# Altium PCB roach2.PcbDoc (part 27 of 39) (continued)
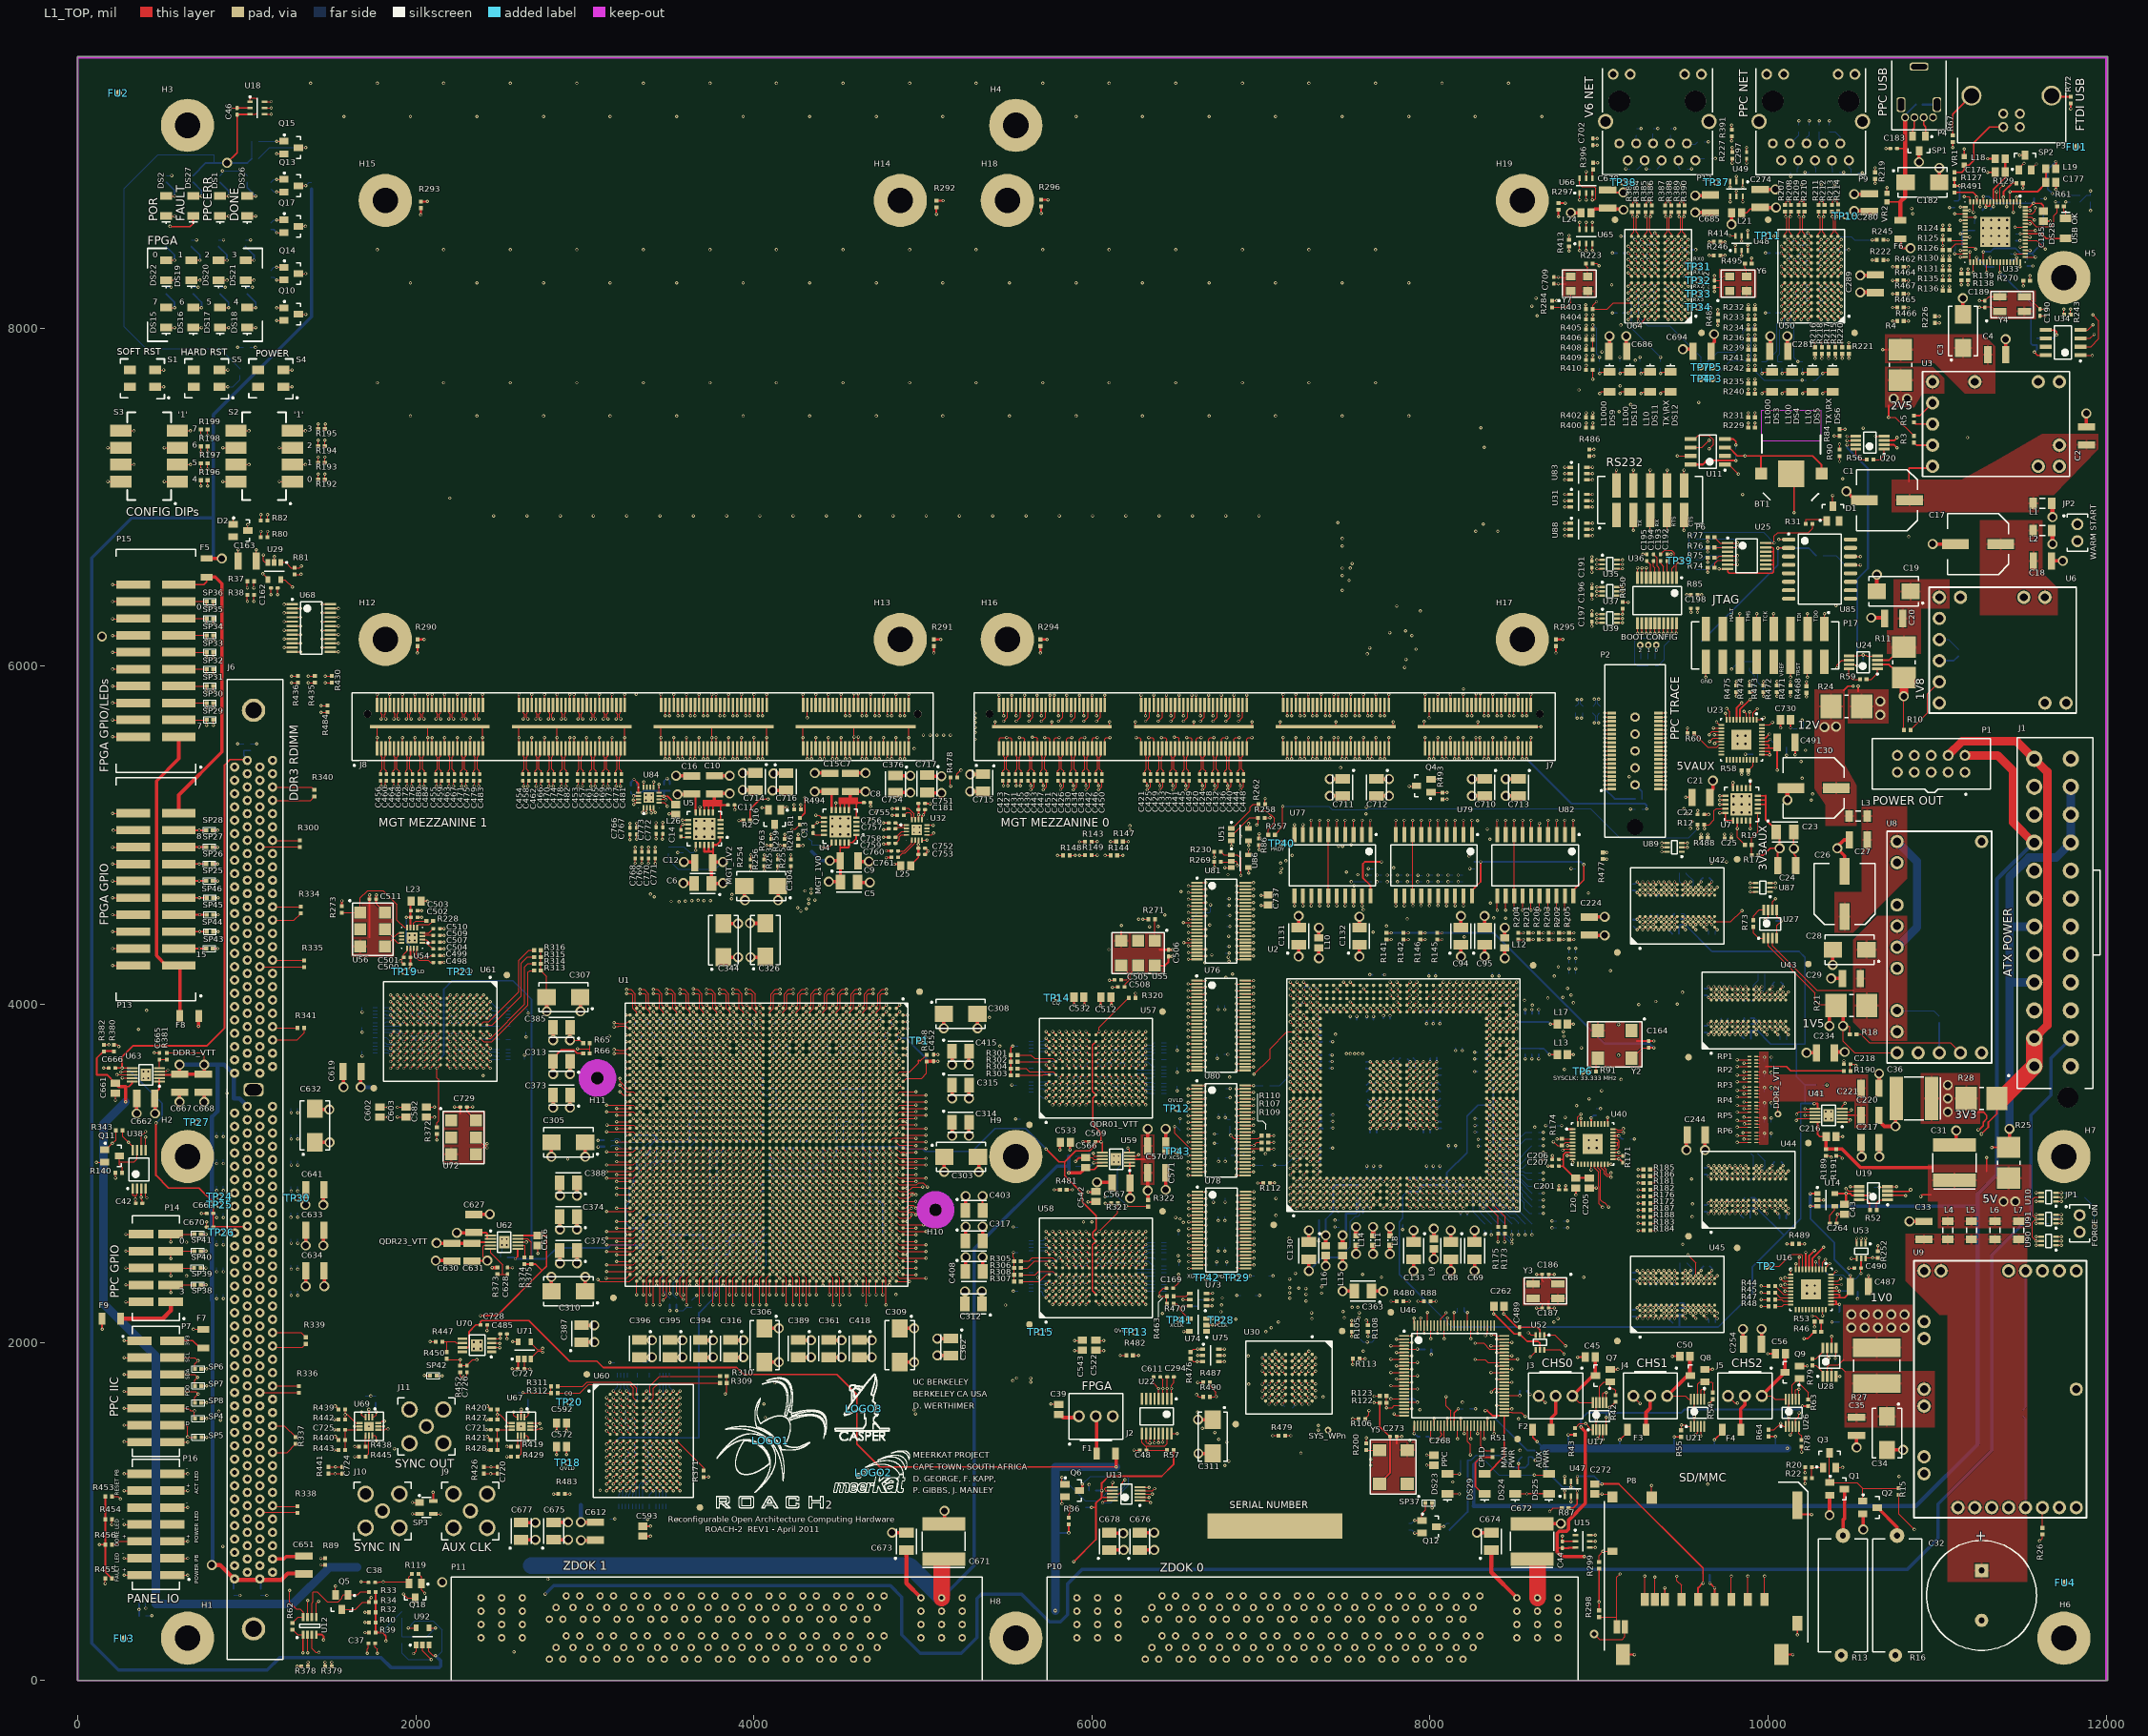
[diagram p0: L1_TOP view]
## Nets (pads, with @x,y where several pads share a name; then routed paths per layer and width w, separated by ;. In a path a pad name is that pad's centre, name@x,y a point inside that pad or via, vN(x,y) a via of type N, cw(c..) or ccw(c..) an arc to the next point about the centre after c; other vN are vias at no path point) (continued)
PROGN: U1.M11 U51.4 | length 3820.9
  L1_TOP w5: U1.M11@4447.92,3581.14 4449.14,3582.36 v1(4467.61,3600.83) ; v3@6926.99,4940.99 6926.99,4966.54 U51.4@6926.99,4973.31
  L12_S w3.8: v2(4360.99,4616.99) 4360.99,4614.99 4446.99,4528.99 4446.99,3621.44 v1(4467.61,3600.83)
  L14_S w3.8: v2(4360.99,4616.99) 4516.99,4616.99 4704.99,4804.99 6662.99,4804.99 6696.99,4838.99 6798.99,4838.99 6900.59,4940.59 v3(6927.39,4940.59)
PS_ENABLEN: Q5.3 R34.1 U10.1 | length 12129.5
  L1_TOP w5: Q5.3@1562.99,419.68 1641.68,419.68 1684.99,462.99 R34.1@1723.31,462.99 1723.31,477.31 v2(1736.99,490.99) ; U10.1@11703.31,2834.41 v2(11734.74,2834.41)
  L8_R w3.8: v2(1736.99,490.99) 1762.99,490.99 1896.99,356.99 2040.99,356.99 2349,665 2971,665 3144.59,838.59 3381.8,838.59 3382.53,837.86 3865.86,837.86 4276.59,1248.59 5336.71,1248.59 5426.31,1158.99 5916.31,1158.99 5972.31,1102.99 6128.99,1102.99 6196.99,1170.99 6368.99,1170.99 6462.99,1076.99 7844.99,1076.99 7970.99,1202.99 8180.99,1202.99 8296.89,1318.89 8727.09,1318.89 8968.99,1076.99 10394.99,1076.99 10824.99,1506.99 10958.99,1506.99 11306.99,1854.99 11306.99,2436.99 11533.71,2663.71 11625.96,2663.71 11662,2699.75 11662,2812.85 11683.56,2834.41 v2(11734.74,2834.41)
QDR0.A0: RP9.1 U1.E19 U57.B4 | length 1271.7
  L1_TOP w5: U1.E19@4723.51,3266.18 4724.73,3267.4 v1(4743.2,3285.87) ; v1(5767.72,3523.62) U57.B4@5787.4,3543.31
  L14_S w3.8: v1(4743.2,3285.87) 4766.97,3309.64 4866,3309.64 4937.31,3380.95 4965.45,3380.95 4977.71,3368.69 5025.25,3368.69 5033.05,3376.49 5297.75,3376.49 5417.32,3496.06 5718.1,3496.06 5721.88,3499.85 5743.95,3499.85 v1(5767.72,3523.62)
  L16_BOT w5: RP9.1@5692.68,3542.52 5748.82,3542.52 v1(5767.72,3523.62)
QDR0.A1: RP14.3 U1.J15 U57.B8 | length 1544.3
  L1_TOP w5: U1.J15@4566.03,3423.66 4567.25,3424.88 v1(4585.72,3443.35) ; v1(5768.03,3720.47) U57.B8@5787.72,3700.79
  L8_R w3.8: v2(5456,3752) 5514,3694 5741.56,3694 v1(5768.03,3720.47)
  L12_S w3.8: v1(4585.72,3443.35) 4608,3465.63 4608,3531.86 4622,3545.86 5047.86,3545.86 5116,3614 5116,3648 5220,3752 v2(5456,3752)
  L16_BOT w5: RP14.3@5692.68,3743.15 5745.35,3743.15 v1(5768.03,3720.47)
QDR0.A2: R275.1 U1.J17 U57.C5 | length 1587.6
  L1_TOP w5: U1.J17@4566.03,3344.92 4567.25,3346.14 v1(4585.72,3364.61) ; v1(5807.09,3562.99) U57.C5@5826.77,3582.68
  L5_S w3.8: v1(4585.72,3364.61) 4601.32,3349.01 4870.15,3349.01 4906.13,3384.99 4969.49,3384.99 4992.06,3407.56 4992.06,3429.56 5004.99,3442.49 5123.39,3442.49 5158.32,3407.56 5297.33,3407.56 5480.31,3590.55 5799.21,3590.55 5807.09,3582.68 v1(5807.09,3562.99)
  L16_BOT w5: R275.1@5692.68,3622.99 5725.12,3590.55 5779.53,3590.55 v1(5807.09,3562.99)
QDR0.A3: R272.1 U1.G18 U57.C7 | length 1588.8
  L1_TOP w5: U1.G18@4644.77,3305.55 v1(4664.46,3325.24) ; v1(5807.09,3681.1) U57.C7@5826.77,3661.42
  L12_S w3.8: v1(4664.46,3325.24) 4688.23,3349.01 4688.23,3449.81 4696.73,3458.31 4696.73,3458.95 4895.68,3458.95 4930.97,3494.24 4930.97,3505.78 4944.88,3519.68 5066.93,3519.68 5133.86,3586.61 5350.39,3586.61 5497.78,3734 5552.06,3734 5562.16,3744.09 5726.79,3744.09 5752.12,3718.77 5752.12,3714.01 5765.34,3700.79 5787.4,3700.79 v1(5807.09,3681.1)
  L16_BOT w5: R272.1@5692.68,3662.99 5788.97,3662.99 v1(5807.09,3681.1)
QDR0.A4: RP13.2 U1.G19 U57.N5 | length 1911.2
  L1_TOP w5: U1.G19@4644.77,3266.18 4645.99,3267.4 v1(4664.46,3285.87) ; U57.N5@6220.47,3582.68 v1(6240.16,3562.99)
  L5_S w3.8: v1(4664.46,3285.87) 4680.43,3301.84 4856.07,3301.84 4883.22,3328.99 4923.49,3328.99 4942.11,3310.38 4974.59,3310.38 4993.54,3329.32 5293.89,3329.32 5452.76,3488.19 5614.17,3488.19 5633.86,3507.87 5811,3507.87 ; 5814.96,3507.87 5811,3507.87 ; v1(6240.16,3562.99) 6224.41,3547.24 6015.75,3547.24 5976.38,3507.87 5811,3507.87
  L16_BOT w5: v1(6240.16,3562.99) 6270.32,3593.15 RP13.2@6373.31,3593.15
QDR0.A5: RP13.3 U1.G16 U57.N6 | length 1888.2
  L1_TOP w5: U1.G16@4644.77,3384.29 4645.99,3385.51 v1(4664.46,3403.98) ; U57.N6@6220.47,3622.05 v1(6240.16,3641.73)
  L5_S w3.8: v1(4664.46,3403.98) 4680.06,3388.38 4856.38,3388.38 4919.99,3451.99 4951.07,3451.99 4987.04,3487.97 5039.15,3487.97 ; 5039.37,3488.19 5039.15,3487.97 ; v1(6240.16,3641.73) 6224.41,3625.98 5456.69,3625.98 5318.67,3487.97 5039.15,3487.97
  L16_BOT w5: v1(6240.16,3641.73) 6269.06,3612.83 RP13.3@6373.31,3612.83
QDR0.A6: RP13.4 U1.E18 U57.N7 | length 1870.1
  L1_TOP w5: U1.E18@4723.51,3305.55 4724.73,3306.77 v1(4743.2,3325.24) ; U57.N7@6220.47,3661.42 v1(6240.16,3681.1)
  L12_S w3.8: v1(4743.2,3325.24) 4766.97,3349.01 4789.03,3349.01 4798.17,3358.14 4798.17,3362.9 4815.85,3380.58 4831.63,3380.58 4840.97,3389.91 4859.73,3389.91 4918.64,3448.82 4922.32,3452.49 4999.99,3452.49 5005.05,3447.43 5069.48,3447.43 5157.48,3535.43 5358.27,3535.43 5448.82,3625.98 5696.85,3625.98 5708.66,3614.17 5972.44,3614.17 6023.62,3665.35 6224.41,3665.35 v1(6240.16,3681.1)
  L16_BOT w5: v1(6240.16,3681.1) 6259.84,3661.42 6328.57,3661.42 6357.46,3632.52 RP13.4@6373.31,3632.52
QDR0.A7: RP8.2 U1.F17 U57.P4 | length 1964.9
  L1_TOP w5: U1.F17@4684.14,3344.92 4685.36,3346.14 v1(4703.83,3364.61) ; U57.P4@6259.84,3543.31 v1(6279.53,3523.62)
  L12_S w3.8: v1(4703.83,3364.61) 4723.99,3344.44 4723.99,3322.38 4736.74,3309.64 4828.4,3309.64 4837.54,3318.77 4837.54,3341.47 4846.61,3350.54 4925.2,3429.13 4978.85,3429.13 4999.92,3408.06 5073.41,3408.06 5074.8,3409.45 5169.29,3503.94 5358.27,3503.94 5444.88,3590.55 6240.16,3590.55 6259.84,3570.87 6259.84,3543.31 v1(6279.53,3523.62) ; v1@4704.73,3366.14 v1@4705.05,3365.82
  L16_BOT w5: v1(6279.53,3523.62) 6302.7,3500.45 6357.82,3500.45 6365.12,3493.15 RP8.2@6373.31,3493.15
QDR0.A8: RP8.4 U1.K18 U57.P5 | length 2207.4
  L1_TOP w5: U1.K18@4526.66,3305.55 4527.88,3306.77 v1(4546.35,3325.24) ; U57.P5@6259.84,3582.68 v1(6279.53,3562.99)
  L5_S w3.8: v1@4547.24,3326.77 4547.24,3325.24 4570.12,3302.36 4570.12,3200.66 4587.06,3183.73 4875.76,3183.73 4916.52,3224.49 4954.49,3224.49 4954.89,3224.89 4982.39,3224.89 4999.91,3242.41 5025.25,3242.41 5025.47,3242.19 5039.72,3242.19 5080.05,3282.52 5392.76,3282.52 5488.19,3377.95 5889.76,3377.95 5905.51,3393.7 5905.51,3448.82 5925.2,3468.5 5972.44,3468.5 6027.71,3523.77 6027.71,3530.08 6037,3539.37 6255.91,3539.37 v1(6279.53,3562.99)
  L16_BOT w5: v1(6279.53,3562.99) 6302.7,3539.82 6357.82,3539.82 6365.12,3532.52 RP8.4@6373.31,3532.52
QDR0.A9: RP7.1 U1.C18 U57.P7 | length 1887.8
  L1_TOP w5: U1.C18@4802.25,3305.55 4803.47,3306.77 v1(4821.94,3325.24) ; U57.P7@6259.84,3661.42 v1(6279.53,3681.1)
  L14_S w3.8: v1@4822.84,3326.77 4872.11,3326.77 4934.08,3388.75 5000.54,3388.75 5013.22,3401.43 5026.15,3401.43 5037.81,3389.76 5295.28,3389.76 5444.88,3539.37 6295.28,3539.37 6303.15,3547.24 6303.15,3657.48 v1(6279.53,3681.1)
  L16_BOT w5: v1(6279.53,3681.1) 6299.21,3700.79 6354.33,3700.79 6367.01,3713.46 RP7.1@6373.31,3713.46
QDR0.A10: RP7.3 U1.A17 U57.P8 | length 1708.3
  L1_TOP w5: U1.A17@4880.99,3344.92 4881.89,3344.92 v2(5018.79,3344.92) ; U57.P8@6259.84,3700.79 v1(6279.53,3720.47)
  L3_S w3.8: v2@5019.68,3346.46 5051.18,3377.95 5051.18,3413.39 5173.23,3535.43 5358.27,3535.43 5527.56,3704.72 6263.78,3704.72 v1(6279.53,3720.47)
  L16_BOT w5: v1(6279.53,3720.47) 6299.21,3740.16 6354.33,3740.16 6367.01,3752.83 RP7.3@6373.31,3752.83
QDR0.A11: RP14.2 U1.G17 U57.A9 | length 1391.6
  L1_TOP w5: U1.G17@4644.77,3344.92 4645.99,3346.14 v1(4664.46,3364.61) ; v1(5728.35,3759.84) U57.A9@5748.03,3740.16
  L12_S w3.8: v1(4664.46,3364.61) 4680.43,3380.58 4680.43,3459.96 4687.59,3467.12 4892.82,3467.12 4923.17,3497.47 4923.17,3517.66 4937.01,3531.5 5062.99,3531.5 5133.86,3602.36 5342.52,3602.36 5515.75,3775.59 5712.6,3775.59 v1(5728.35,3759.84)
  L16_BOT w5: RP14.2@5692.68,3762.83 5725.36,3762.83 v1(5728.35,3759.84)
QDR0.A12: RP8.1 U1.M18 U57.R3 | length 2279.3
  L1_TOP w5: U1.M18@4447.92,3305.55 4449.14,3306.77 v1(4467.61,3325.24) ; U57.R3@6299.21,3503.94 v1(6318.9,3484.25)
  L5_S w3.8: v1(4467.61,3325.24) 4491.38,3301.47 4491.38,3199.58 4546.23,3144.73 4921.9,3144.73 4944.13,3122.49 4944.13,3117.99 4953.27,3108.85 4974.85,3108.85 4993.49,3127.49 5039.99,3127.49 5063.99,3151.49 5282.99,3151.49 5304.73,3173.23 5389.76,3173.23 5503.94,3287.4 6065.37,3287.4 6185.19,3407.22 6185.19,3411.97 6202.5,3429.28 6207.25,3429.28 6224.56,3446.59 6224.56,3451.34 6241.72,3468.5 6303.15,3468.5 v1(6318.9,3484.25) ; v1@4468.5,3326.77 v1@4468.82,3326.45
  L16_BOT w5: v1(6318.9,3484.25) 6329.68,3473.46 RP8.1@6373.31,3473.46
QDR0.A13: RP8.3 U1.B19 U57.R4 | length 1872
  L1_TOP w5: U1.B19@4841.62,3266.18 4842.84,3267.4 4862.05,3286.61 v2(4958.99,3286.61) ; U57.R4@6299.21,3543.31 v1(6318.9,3523.62)
  L3_S w3.8: v2@4959.89,3288.14 5000.74,3288.14 5082.68,3370.08 5082.68,3405.51 5181.1,3503.94 5362.2,3503.94 5523.77,3665.5 6287.25,3665.5 6303.15,3649.61 6303.15,3539.37 v1(6318.9,3523.62)
  L16_BOT w5: v1(6318.9,3523.62) 6329.68,3512.83 RP8.3@6373.31,3512.83
QDR0.A14: RP13.1 U1.B17 U57.R5 | length 1939.8
  L1_TOP w5: U1.B17@4841.62,3344.92 4842.84,3346.14 4862.05,3365.35 v2(4958.99,3365.35) ; U57.R5@6299.21,3582.68 v1(6318.9,3562.99)
  L3_S w3.8: v2@4959.89,3366.88 5024.36,3366.88 5035.43,3377.95 5035.43,3421.26 5161.42,3547.24 5354.33,3547.24 5519.68,3712.6 5543.31,3712.6 5566.93,3736.22 6167.73,3736.22 6167.88,3736.07 6325.36,3736.07 6334.5,3726.94 6334.5,3712.75 6334.65,3712.6 6334.65,3578.74 v1(6318.9,3562.99)
  L16_BOT w5: v1(6318.9,3562.99) 6354.33,3562.99 6364.8,3573.46 RP13.1@6373.31,3573.46
QDR0.A15: R114.1 U1.B18 U57.R7 | length 1759.2
  L1_TOP w5: U1.B18@4841.62,3305.55 4842.84,3306.77 4862.05,3325.98 v2(4958.99,3325.98) ; U57.R7@6299.21,3661.42 v1(6318.9,3681.1)
  L3_S w3.8: v2(4958.99,3325.98) 5022.98,3325.98 5058.98,3361.98 5058.98,3401.5 5173.23,3515.75 5354.33,3515.75 5535.29,3696.7 6303.3,3696.7 v1(6318.9,3681.1) ; v2@4959.89,3327.51 v2@4963.23,3330.86
  L16_BOT w5: v1(6318.9,3681.1) 6346.45,3681.1 6354.57,3672.99 R114.1@6373.31,3672.99
QDR0.A16: RP7.2 U1.D18 U57.R8 | length 1840
  L1_TOP w5: U1.D18@4762.88,3305.55 4764.1,3306.77 v1(4782.57,3325.24) ; U57.R8@6299.21,3700.79 v1(6318.9,3720.47)
  L12_S w3.8: v1@4783.47,3333.05 4783.47,3326.77 4801.69,3344.99 4825.85,3344.99 4921.87,3441.02 4977.97,3441.02 4979.72,3439.26 5084.93,3439.26 5161.42,3515.75 5354.33,3515.75 5440.94,3602.36 5972.44,3602.36 6027.41,3657.33 6287.26,3657.33 6295.28,3665.35 6295.28,3696.85 v1(6318.9,3720.47)
  L16_BOT w5: v1(6318.9,3720.47) 6354.33,3720.47 6367.01,3733.15 RP7.2@6373.31,3733.15
QDR0.A17: RP7.4 U1.K17 U57.R9 | length 2118.5
  L1_TOP w5: U1.K17@4526.66,3344.92 4527.88,3346.14 v1(4546.35,3364.61) ; U57.R9@6299.21,3740.16 v1(6318.9,3759.84)
  L5_S w3.8: v1(4546.35,3364.61) 4562.32,3380.58 4890.68,3380.58 4990.27,3480.17 5346.31,3480.17 5472.44,3606.3 6279.53,3606.3 6299.21,3625.98 6299.21,3740.16 v1(6318.9,3759.84)
  L16_BOT w5: v1(6318.9,3759.84) 6354.33,3759.84 6367.01,3772.52 RP7.4@6373.31,3772.52
QDR0.A18: RP9.3 U1.C19 U57.A3 | length 1089.4
  L1_TOP w5: U1.C19@4802.25,3266.18 4803.47,3267.4 v1(4821.94,3285.87) ; v1(5728.35,3484.25) U57.A3@5748.03,3503.94
  L14_S w3.8: v1(4821.94,3285.87) 4853.26,3285.87 4917.14,3349.75 5001.55,3349.75 5012.32,3360.52 5019.99,3360.52 5020.36,3360.89 5305.77,3360.89 5429.13,3484.25 5724.41,3484.25 5726.38,3486.22 v1(5728.35,3484.25)
  L16_BOT w5: RP9.3@5692.68,3503.15 5709.45,3503.15 v1(5728.35,3484.25)
QDR0.A19: RP14.1 U1.M16 U57.A10 | length 1749.7
  L1_TOP w5: U1.M16@4447.92,3384.29 v1(4467.61,3403.98) ; v1(5728.35,3799.21) U57.A10@5748.03,3779.53
  L5_S w3.8: v1(4467.61,3403.98) 4467.61,3421.28 4483.21,3436.88 4483.21,3621 4486.8,3624.6 4514,3624.6 4523.49,3634.09 4523.49,3647.49 4539.97,3663.97 4867.77,3663.97 4887.45,3683.65 4913.14,3683.65 4930.27,3700.79 5027.56,3700.79 5110.24,3783.46 5177.17,3783.46 5314.96,3921.26 v2(5393.24,3921.26)
  L12_S w3.8: v2(5393.24,3921.26) 5606.3,3921.26 v1(5728.35,3799.21)
  L16_BOT w5: RP14.1@5692.68,3782.52 5711.65,3782.52 v1(5728.35,3799.21)
QDR0.A20: RP9.4 U1.F19 U57.A2 | length 1257.4
  L1_TOP w5: U1.F19@4684.14,3266.18 4685.36,3267.4 v1(4703.83,3285.87) ; v1(5728.35,3444.88) U57.A2@5748.03,3464.57
  L5_S w3.8: v1@4704.73,3287.4 4705.05,3287.08 4721.86,3270.27 4928.18,3270.27 4943.39,3285.48 4943.39,3293.07 4952.9,3302.58 4977.82,3302.58 4996.77,3321.52 5297.12,3321.52 5318.12,3342.52 5334.65,3342.52 5460.63,3468.5 5625.98,3468.5 5637.8,3480.31 5692.91,3480.31 v1(5728.35,3444.88)
  L16_BOT w5: RP9.4@5692.68,3483.46 5692.68,3460.87 5708.66,3444.88 v1(5728.35,3444.88)
QDR0.BWN0: R301.1 U57.B7 | length 244
  L1_TOP w5: R301.1@5559.68,3700 5640,3700 5660,3680 5769.13,3680 U57.B7@5787.72,3661.42
QDR0.BWN1: R302.1 U57.A7 | length 189.2
  L1_TOP w5: R302.1@5559.68,3660 5561.1,3661.42 U57.A7@5748.35,3661.42
QDR0.BWN2: R303.1 U57.A5 | length 189.8
  L1_TOP w5: R303.1@5559.68,3580 5710,3580 5712.68,3582.68 U57.A5@5748.35,3582.68
QDR0.BWN3: R304.1 U57.B5 | length 243.5
  L1_TOP w5: R304.1@5559.68,3620 5610,3620 5630,3600 5770.39,3600 U57.B5@5787.72,3582.68
QDR0.D0: U1.C16 U57.P10 | length 1778.3
  L1_TOP w5: U1.C16@4802.25,3384.29 4803.47,3385.51 v1(4821.94,3403.98) ; U57.P10@6259.84,3779.53 v1(6279.53,3799.21)
  L14_S w3.8: v1@4822.84,3405.51 4886.37,3405.51 4925.05,3444.19 4982.63,3444.19 4995.39,3456.95 4995.39,3472.72 5016.68,3494.02 5311.02,3494.02 5419.37,3602.36 6220.47,3602.36 6224.56,3606.45 6224.56,3766.31 6233.7,3775.44 6240.01,3775.44 6240.16,3775.59 6255.91,3775.59 v1(6279.53,3799.21)
QDR0.D1: U1.N14 U57.N11 | length 2254.6
  L1_TOP w5: U1.N14@4408.55,3463.03 4409.77,3464.25 v1(4428.24,3482.72) ; U57.N11@6220.47,3818.9 v1(6240.16,3838.58)
  L14_S w3.8: v1@4429.13,3484.25 4429.13,3501.56 4429.77,3501.56 4443.84,3515.62 4443.84,3697.34 4449.84,3703.34 4856.34,3703.34 4876.02,3723.02 4998.61,3723.02 5094.49,3818.9 5177.17,3818.9 5307.09,3948.82 6177.17,3948.82 6238.99,3886.99 6238.99,3843.69 6242.13,3840.55 6244.1,3838.58 v1(6240.16,3838.58)
QDR0.D2: U1.H13 U57.M11 | length 1786.9
  L1_TOP w5: U1.H13@4605.4,3502.4 4606.62,3503.62 v1(4625.09,3522.09) ; U57.M11@6181.1,3818.9 v1(6200.79,3838.58)
  L5_S w3.8: v1(4625.09,3522.09) 4640.69,3537.69 4858.99,3537.69 4859.36,3538.06 4879.01,3538.06 4906.49,3565.54 4913.14,3565.54 4942.08,3594.49 5192.91,3594.49 5220.47,3622.05 5220.47,3653.54 5248.03,3681.1 5311.02,3681.1 5409.45,3779.53 5633.86,3779.53 5637.57,3783.24 6054.9,3783.24 6067.08,3795.42 6067.08,3805.68 6076.36,3814.96 6165.35,3814.96 6188.98,3838.58 v1(6200.79,3838.58)
QDR0.D3: U1.K12 U57.K10 | length 1912.4
  L1_TOP w5: U1.K12@4526.66,3541.77 4527.88,3542.99 v1(4546.35,3561.46) ; U57.K10@6102.36,3779.53 v1(6122.05,3799.21)
  L14_S w3.8: v1@4547.24,3562.99 4547.24,3580.3 4547.88,3580.3 4561.95,3594.37 4561.95,3616.95 4569.6,3624.6 4868.69,3624.6 4889.76,3645.67 4929.13,3645.67 4948.82,3665.35 5015.75,3665.35 5118.11,3767.72 5200.79,3767.72 5255.99,3822.92 5337.67,3822.92 5396.64,3881.89 5398.42,3881.89 5422.04,3905.51 6085.83,3905.51 6109.46,3881.89 6129.92,3881.89 6145.67,3866.14 6145.67,3822.83 v1(6122.05,3799.21)
QDR0.D4: U1.K13 U57.J11 | length 1832.8
  L1_TOP w5: U1.K13@4526.66,3502.4 4527.88,3503.62 v1(4546.35,3522.09) ; U57.J11@6062.99,3818.9 v1(6082.68,3838.58)
  L14_S w3.8: v1@4547.24,3523.62 4547.24,3540.93 4547.88,3540.93 4570.12,3563.17 4570.12,3607.29 4579.26,3616.43 4872.33,3616.43 4889.76,3633.86 5000,3633.86 5000,3637.06 5114.91,3751.97 5204.72,3751.97 5263.78,3811.02 5338.58,3811.02 5421.26,3893.7 6074.8,3893.7 6082.68,3885.83 v1(6082.68,3838.58)
QDR0.D5: U1.J12 U57.G11 | length 1625.7
  L1_TOP w5: U1.J12@4566.03,3541.77 4567.25,3542.99 v1(4585.72,3561.46) ; v1(5964.57,3838.58) U57.G11@5984.25,3818.9
  L14_S w3.8: v1(4585.72,3561.46) 4609.49,3585.23 4833.17,3585.23 4837.54,3589.6 4837.54,3602.04 4843.99,3608.49 4876.21,3608.49 4889.76,3622.05 5000,3622.05 5065.03,3687.08 5094.14,3687.08 5103.28,3696.22 5103.28,3725.33 5118.11,3740.16 5212.6,3740.16 5267.72,3795.28 5338.58,3795.28 5425.2,3881.89 5948.82,3881.89 5964.57,3866.14 v1(5964.57,3838.58)
QDR0.D6: U1.E14 U57.E10 | length 1381.2
  L1_TOP w5: U1.E14@4723.51,3463.03 4724.73,3464.25 v1(4743.2,3482.72) ; v1(5885.83,3799.21) U57.E10@5905.51,3779.53
  L14_S w3.8: v1(4743.2,3482.72) 4759.17,3466.75 4839.95,3466.75 4850.29,3477.09 4881.59,3477.09 4887.89,3483.39 4901.39,3483.39 4965.24,3547.24 5255.91,3547.24 5377.95,3669.29 5594.49,3669.29 5629.92,3704.72 5629.77,3704.87 5852.92,3704.87 5862.06,3714.01 5862.06,3720.32 5862.2,3720.47 5862.2,3779.53 5881.89,3799.21 v1(5885.83,3799.21)
QDR0.D7: U1.D12 U57.D11 | length 1276.2
  L1_TOP w5: U1.D12@4762.88,3541.77 4764.1,3542.99 v1(4782.57,3561.46) ; v1(5846.46,3838.58) U57.D11@5866.14,3818.9
  L14_S w3.8: v1@4783.47,3562.99 4798.34,3562.99 4815.48,3545.86 4828.4,3545.86 4837.54,3554.99 4837.54,3567.54 4862.57,3592.57 4883.91,3592.57 4897.64,3606.3 5053.05,3606.3 5118.88,3672.13 5118.88,3705.49 5129.92,3716.54 5224.41,3716.54 5275.59,3767.72 5350.39,3767.72 5405.51,3822.83 5834.65,3822.83 5846.46,3834.64 v1(5846.46,3838.58)
QDR0.D8: U1.F12 U57.C11 | length 1280.6
  L1_TOP w5: U1.F12@4684.14,3541.77 4685.36,3542.99 v1(4703.83,3561.46) ; v1(5807.09,3838.58) U57.C11@5826.77,3818.9
  L5_S w3.8: v1(4703.83,3561.46) 4719.43,3577.06 4853.32,3577.06 4910.12,3633.86 5086.61,3633.86 5106.3,3653.54 5106.3,3665.35 5145.67,3704.72 5287.4,3704.72 5405.51,3822.83 5791.34,3822.83 v1(5807.09,3838.58)
QDR0.D9: U1.H15 U57.N10 | length 1931.8
  L1_TOP w5: U1.H15@4605.4,3423.66 4606.62,3424.88 v1(4625.09,3443.35) ; U57.N10@6220.47,3779.53 v1(6240.16,3799.21)
  L5_S w3.8: v1(4625.09,3443.35) 4640.69,3427.75 4867.77,3427.75 4876.91,3436.88 4876.91,3447.91 4936.87,3507.87 5291.34,3507.87 5472.44,3688.98 5714.16,3688.98 5721.88,3696.7 5734.81,3696.7 5743.95,3687.57 5743.95,3673.38 5751.97,3665.35 6208.66,3665.35 6224.41,3681.1 6224.41,3783.47 v1(6240.16,3799.21)
QDR0.D10: U1.A15 U57.M9 | length 1485.4
  L1_TOP w5: U1.A15@4880.99,3423.66 4881.89,3423.66 v2(5018.79,3423.66) ; U57.M9@6181.1,3740.16 v1(6200.79,3759.84)
  L3_S w3.8: v2@5019.68,3425.2 5023.62,3425.2 5157.48,3559.06 5350.39,3559.06 5517.72,3726.38 5544.44,3726.38 5562.16,3744.09 6185.04,3744.09 v1(6200.79,3759.84)
QDR0.D11: U1.E15 U57.L9 | length 1740
  L1_TOP w5: U1.E15@4723.51,3423.66 4724.73,3424.88 v1(4743.2,3443.35) ; U57.L9@6141.73,3740.16 v1(6161.42,3759.84)
  L14_S w3.8: v1(4743.2,3443.35) 4766.97,3419.58 4830.83,3419.58 4836.73,3413.68 4883.5,3413.68 4921.81,3451.99 4960.99,3451.99 ; 4961.46,3451.99 4960.99,3451.99 ; v1(6161.42,3759.84) 6177.17,3744.1 6177.17,3625.98 6165.35,3614.17 5409.45,3614.17 5297.1,3501.82 5013.45,3501.82 4987.59,3475.95 4987.59,3460.18 4979.4,3451.99 4960.99,3451.99
QDR0.D12: U1.B14 U57.J9 | length 1436.5
  L1_TOP w5: U1.B14@4841.62,3463.03 4862.05,3483.46 4958.99,3483.46 v2(4959.73,3482.72) ; U57.J9@6062.99,3740.16 v1(6082.68,3759.84)
  L3_S w3.8: v2@4960.63,3484.25 5019.68,3484.25 5137.8,3602.36 5328.42,3602.36 5471.6,3745.54 5471.6,3745.63 5540.78,3814.81 5971.03,3814.81 6006.31,3779.53 6062.99,3779.53 v1(6082.68,3759.84)
QDR0.D13: U1.A14 U57.G10 | length 1249.2
  L1_TOP w5: U1.A14@4880.99,3463.03 v2(5018.79,3463.03) ; v1(5964.57,3799.21) U57.G10@5984.25,3779.53
  L3_S w3.8: v2@5019.68,3464.57 5141.73,3586.61 5323.71,3586.61 5479.4,3742.31 5479.4,3742.4 5520.46,3783.46 5948.82,3783.46 v1(5964.57,3799.21)
QDR0.D14: U1.A16 U57.F9 | length 1296.8
  L1_TOP w5: U1.A16@4880.99,3384.29 v2(5018.79,3384.29) ; v1(5925.2,3759.84) U57.F9@5944.88,3740.16
  L3_S w3.8: v2@5019.68,3385.83 4998.49,3407.02 4998.49,3432.99 5012.93,3447.43 5030.11,3447.43 5153.54,3570.87 5318.99,3570.87 5487.2,3739.08 5487.2,3739.17 5523.62,3775.59 5909.45,3775.59 v1(5925.2,3759.84)
QDR0.D15: U1.L12 U57.D10 | length 1586.2
  L1_TOP w5: U1.L12@4487.29,3541.77 4488.51,3542.99 v1(4506.98,3561.46) ; v1(5846.46,3799.21) U57.D10@5866.14,3779.53
  L5_S w3.8: v1(4506.98,3561.46) 4530.75,3585.23 4592.18,3585.23 4601.32,3594.37 4601.32,3603.32 4614.8,3616.8 4871,3616.8 4884.71,3630.51 4884.71,3646.18 4896.01,3657.48 5031.5,3657.48 5061.09,3687.08 5100.46,3687.08 5153.54,3740.16 5267.72,3740.16 5401.57,3874.02 5799.21,3874.02 5826.77,3846.46 5826.77,3818.9 v1(5846.46,3799.21)
QDR0.D16: U1.C14 U57.C9 | length 1168.6
  L1_TOP w5: U1.C14@4802.25,3463.03 4803.47,3464.25 v1(4821.94,3482.72) ; v1(5807.09,3759.84) U57.C9@5826.77,3740.16
  L14_S w3.8: v1(4821.94,3482.72) 4840.22,3482.72 4844.99,3487.49 4872.99,3487.49 4878.49,3492.99 4884.99,3492.99 4922.55,3530.55 4922.55,3536.99 4944.62,3559.06 5251.97,3559.06 5370.08,3677.17 5535.43,3677.17 5594.49,3736.22 5799.21,3736.22 5807.09,3744.09 v1(5807.09,3759.84)
QDR0.D17: U1.E13 U57.B9 | length 1212.4
  L1_TOP w5: U1.E13@4723.51,3502.4 4724.73,3503.62 v1(4743.2,3522.09) ; v1(5767.72,3759.84) U57.B9@5787.4,3740.16
  L14_S w3.8: v1(4743.2,3522.09) 4766.97,3498.32 4870.63,3498.32 4884.71,3512.39 4884.71,3518.68 4915.22,3549.19 4923.72,3549.19 4941.53,3567 4996.05,3567 ; 5000,3567 4996.05,3567 ; v1(5767.72,3759.84) 5756.69,3748.81 5752.12,3744.24 5716.39,3744.24 5708.66,3751.97 5582.68,3751.97 5543.31,3712.6 5393.7,3712.6 5248.11,3567 4996.05,3567
QDR0.D18: U1.E20 U57.B3 | length 1189.1
  L1_TOP w5: U1.E20@4723.51,3226.81 4724.73,3228.03 v1(4743.2,3246.5) ; v1(5767.72,3484.25) U57.B3@5787.4,3503.94
  L14_S w3.8: v1(4743.2,3246.5) 4766.97,3270.27 4848.69,3270.27 4920.37,3341.95 4999.7,3341.95 5012.32,3329.32 5025.25,3329.32 5037.42,3341.49 5310,3341.49 5437.01,3468.5 5751.97,3468.5 v1(5767.72,3484.25)
QDR0.D19: U1.F20 U57.C3 | length 1269.8
  L1_TOP w5: U1.F20@4684.14,3226.81 4685.36,3228.03 v1(4703.83,3246.5) ; v1(5807.09,3484.25) U57.C3@5826.77,3503.94
  L5_S w3.8: v1(4703.83,3246.5) 4719.8,3262.47 4961.97,3262.47 5013.22,3313.72 5300.35,3313.72 5321.28,3334.65 5354.33,3334.65 5452.76,3433.07 5653.54,3433.07 5657.33,3429.28 5734.81,3429.28 5744.32,3438.79 5744.32,3454.57 5758.02,3468.28 5791.12,3468.28 v1(5807.09,3484.25)
QDR0.D20: U1.A21 U57.D2 | length 1108.2
  L1_TOP w5: U1.A21@4880.99,3187.44 4881.89,3187.44 v2(5018.79,3187.44) ; v1(5846.46,3444.88) U57.D2@5866.14,3464.57
  L3_S w3.8: v2@5019.68,3188.98 5020,3188.66 5031.49,3177.17 5283.46,3177.17 5519.68,3413.39 5728.35,3413.39 5736.29,3421.33 5805.6,3421.33 5829.15,3444.88 v1(5846.46,3444.88)
QDR0.D21: U1.C20 U57.F3 | length 1267.7
  L1_TOP w5: U1.C20@4802.25,3226.81 4803.47,3228.03 v1(4821.94,3246.5) ; v1(5925.2,3484.25) U57.F3@5944.88,3503.94
  L14_S w3.8: v1(4821.94,3246.5) 4837.54,3262.1 4888.6,3262.1 4936.88,3310.38 4978.88,3310.38 4987.49,3318.99 5043.49,3318.99 5051.49,3326.99 5334.87,3326.99 5437.01,3429.13 5859.05,3429.13 5870.23,3440.31 5870.23,3451.34 5879.36,3460.48 5892.29,3460.48 5896.86,3455.91 v1(5925.2,3484.25)
QDR0.D22: U1.B22 U57.G2 | length 1302.4
  L1_TOP w5: U1.B22@4841.62,3148.07 4864.65,3125.04 4873.58,3125.04 4875.12,3126.58 4888.66,3126.58 4890.2,3125.04 4959.14,3125.04 v2(4959.73,3124.45) ; v1(5964.57,3444.88) U57.G2@5984.25,3464.57
  L3_S w3.8: v2(4959.73,3124.45) 4982.54,3124.45 4987.49,3119.49 5312.41,3119.49 5318.9,3125.98 5456.69,3263.78 5712.6,3263.78 5803.15,3354.33 5856.71,3354.33 5901.43,3399.05 5901.43,3405.36 5925.2,3429.13 5948.82,3429.13 v1(5964.57,3444.88)
QDR0.D23: U1.L19 U57.J3 | length 1899
  L1_TOP w5: U1.L19@4487.29,3266.18 4488.51,3267.4 v1(4506.98,3285.87) ; U57.J3@6062.99,3503.94 v1(6082.68,3484.25)
  L5_S w3.8: v1@4507.87,3287.4 4507.87,3285.87 4530.75,3262.99 4530.75,3200.66 4563.28,3168.13 4924.89,3168.13 4940.49,3183.73 4978.56,3183.73 4998.25,3203.41 5054.98,3203.41 5118.49,3266.92 5408.65,3266.92 5496.06,3354.33 6039.37,3354.33 6062.99,3377.95 6062.99,3464.57 6070.87,3472.44 ; 6070.87,3472.44 v1(6082.68,3484.25)
QDR0.D24: U1.G23 U57.L3 | length 1850.2
  L1_TOP w5: U1.G23@4644.77,3108.7 v1(4664.46,3089.01) ; U57.L3@6141.73,3503.94 v1(6161.42,3484.25)
  L14_S w3.8: v1(4664.46,3089.01) 4688.23,3112.78 4710.29,3112.78 4719.43,3121.92 4719.43,3132.43 4731.73,3144.73 4896.91,3144.73 4900.4,3148.22 4966.19,3148.22 4981.65,3163.67 5034.39,3163.67 5056.32,3141.73 5346.46,3141.73 5480.31,3275.59 6106.3,3275.59 6185.04,3354.33 6185.04,3460.63 6173.23,3472.44 v1(6161.42,3484.25)
QDR0.D25: U1.L21 U57.M3 | length 1960.3
  L1_TOP w5: U1.L21@4487.29,3187.44 4488.51,3188.66 v1(4506.98,3207.13) ; U57.M3@6181.1,3503.94 v1(6200.79,3484.25)
  L5_S w3.8: v1(4506.98,3207.13) 4506.98,3195.01 4549.46,3152.53 4927.93,3152.53 4940.04,3140.42 4978.56,3140.42 5002.18,3164.04 5275.17,3164.04 5298.7,3187.56 5376.54,3187.56 5492.13,3303.15 6055.12,3303.15 6141.73,3389.76 6141.73,3447.26 6159.04,3464.57 6181.1,3464.57 v1(6200.79,3484.25)
QDR0.D26: U1.D23 U57.N2 | length 1737.6
  L1_TOP w5: U1.D23@4762.88,3108.7 v1(4782.57,3089.01) ; U57.N2@6220.47,3464.57 v1(6240.16,3444.88)
  L14_S w3.8: v1(4782.57,3089.01) 4798.17,3104.61 4863.61,3104.61 4883.3,3124.3 4925.18,3124.3 4946.63,3102.85 4986.3,3102.85 5005.35,3121.9 5039.35,3121.9 ; 5043.31,3121.9 5039.35,3121.9 ; v1(6240.16,3444.88) 6251.97,3433.07 6255.91,3429.13 6255.91,3417.32 6255.76,3417.18 6255.76,3389.62 6114.1,3247.96 5499.29,3247.96 5498.51,3248.75 5493.62,3248.75 5366.77,3121.9 5039.35,3121.9
QDR0.D27: U1.B21 U57.C1 | length 1111.5
  L1_TOP w5: U1.B21@4841.62,3187.44 4861.61,3167.46 4940.09,3167.46 4943.73,3163.82 v2(4959.73,3163.82) ; v1(5807.09,3405.51) U57.C1@5826.77,3425.2
  L3_S w3.8: v2@4960.63,3165.35 5287.4,3165.35 5433.07,3311.02 5496.06,3311.02 5582.68,3397.64 5728.35,3397.64 5740.16,3385.83 5787.4,3385.83 v1(5807.09,3405.51)
QDR0.D28: U1.F21 U57.D1 | length 1281.3
  L1_TOP w5: U1.F21@4684.14,3187.44 4685.36,3188.66 v1(4703.83,3207.13) ; v1(5846.46,3405.51) U57.D1@5866.14,3425.2
  L14_S w3.8: v1@4704.73,3208.66 4722.67,3208.66 4736.74,3222.73 4878.23,3222.73 4926.51,3271.01 4965.45,3271.01 4993.51,3299.06 5346.31,3299.06 5437.01,3389.76 5834.65,3389.76 5846.46,3401.57 v1(5846.46,3405.51)
QDR0.D29: U1.G21 U57.E2 | length 1375.5
  L1_TOP w5: U1.G21@4644.77,3187.44 4645.99,3188.66 v1(4664.46,3207.13) ; v1(5885.83,3444.88) U57.E2@5905.51,3464.57
  L14_S w3.8: v1(4664.46,3207.13) 4688.23,3230.9 4868.43,3230.9 4940.11,3302.58 4982.11,3302.58 4986.4,3306.86 5003.68,3306.86 5334.42,3306.86 5358.27,3330.71 5440.94,3413.39 5692.91,3413.39 5700.64,3421.11 5862.06,3421.11 v1(5885.83,3444.88)
QDR0.D30: U1.D21 U57.G1 | length 1331.4
  L1_TOP w5: U1.D21@4762.88,3187.44 4764.1,3188.66 v1(4782.57,3207.13) ; v1(5964.57,3405.51) U57.G1@5984.25,3425.2
  L14_S w3.8: v1(4782.57,3207.13) 4880.13,3207.13 4936.21,3263.21 4968.68,3263.21 4996.74,3291.26 5358.19,3291.26 5440.94,3374.02 5952.76,3374.02 5964.57,3385.83 v1(5964.57,3405.51)
QDR0.D31: U1.K22 U57.J1 | length 1754.5
  L1_TOP w5: U1.K22@4526.66,3148.07 v1(4546.35,3128.38) ; U57.J1@6062.99,3425.2 v1(6082.68,3405.51)
  L14_S w3.8: v1(4546.35,3128.38) 4546.35,3162.85 4567.23,3183.73 4880.76,3183.73 4941.52,3244.49 4984.49,3244.49 4990.58,3250.58 5045.86,3250.58 5070.87,3275.59 5393.7,3275.59 5460.63,3342.52 5524.4,3342.52 5535.38,3353.51 5561.23,3353.51 5572.22,3342.52 6051.18,3342.52 6082.68,3374.02 v1(6082.68,3405.51)
QDR0.D32: U1.L20 U57.K2 | length 1896
  L1_TOP w5: U1.L20@4487.29,3226.81 4488.51,3228.03 v1(4506.98,3246.5) ; U57.K2@6102.36,3464.57 v1(6122.05,3444.88)
  L5_S w3.8: v1@4507.87,3248.03 4508.19,3247.71 4522.95,3232.96 4522.95,3197.43 4560.05,3160.33 4931.16,3160.33 4943.27,3148.22 4975.33,3148.22 4998.95,3171.84 5025.25,3171.84 5040.97,3187.56 5287.67,3187.56 5358.52,3258.42 5423.77,3258.42 5503.26,3337.91 5554.77,3337.91 5573.78,3318.9 6039.37,3318.9 6102.36,3381.89 6102.36,3425.19 v1(6122.05,3444.88)
QDR0.D33: U1.B23 U57.M1 | length 1719.7
  L1_TOP w5: U1.B23@4841.62,3108.7 4861.31,3089.02 v2(5018.79,3089.02) ; U57.M1@6181.1,3425.2 v1(6200.79,3405.51)
  L3_S w3.8: v2(5018.79,3089.02) 5003.19,3073.42 5003.19,3043.18 5012.32,3034.05 5025.25,3034.05 5045.68,3054.48 5045.68,3055.12 5392.88,3055.12 5478,2970 5633,2970 5761,3098 5761,3146 5831.54,3216.54 6011.81,3216.54 v1(6200.79,3405.51)
QDR0.D34: U1.D22 U57.N1 | length 1661.5
  L1_TOP w5: U1.D22@4762.88,3148.07 v1(4782.57,3128.38) ; U57.N1@6220.47,3425.2 v1(6240.16,3405.51)
  L14_S w3.8: v1(4782.57,3128.38) 4799.88,3128.38 4815.48,3112.78 4847.28,3112.78 4866.99,3132.49 4908.49,3132.49 4916.05,3140.05 4988.44,3140.05 4998.78,3129.7 5354.11,3129.7 5484.25,3259.84 6114.17,3259.84 6240.16,3385.83 v1(6240.16,3405.51) ; v1@4783.47,3129.92 v1@4783.79,3129.6